# Altium PCB Altium.pcbdoc (part 1 of 2)
Units mil, origin at the board's own origin, x right, y up, seen from the top; angles counter-clockwise.
Board outline 3937.01 x 2047.24 mil, 2 copper layers (Top Layer, Bottom Layer), stack 62.206 mil thick; 34 components, 26 nets, 163 pads, 100 vias.
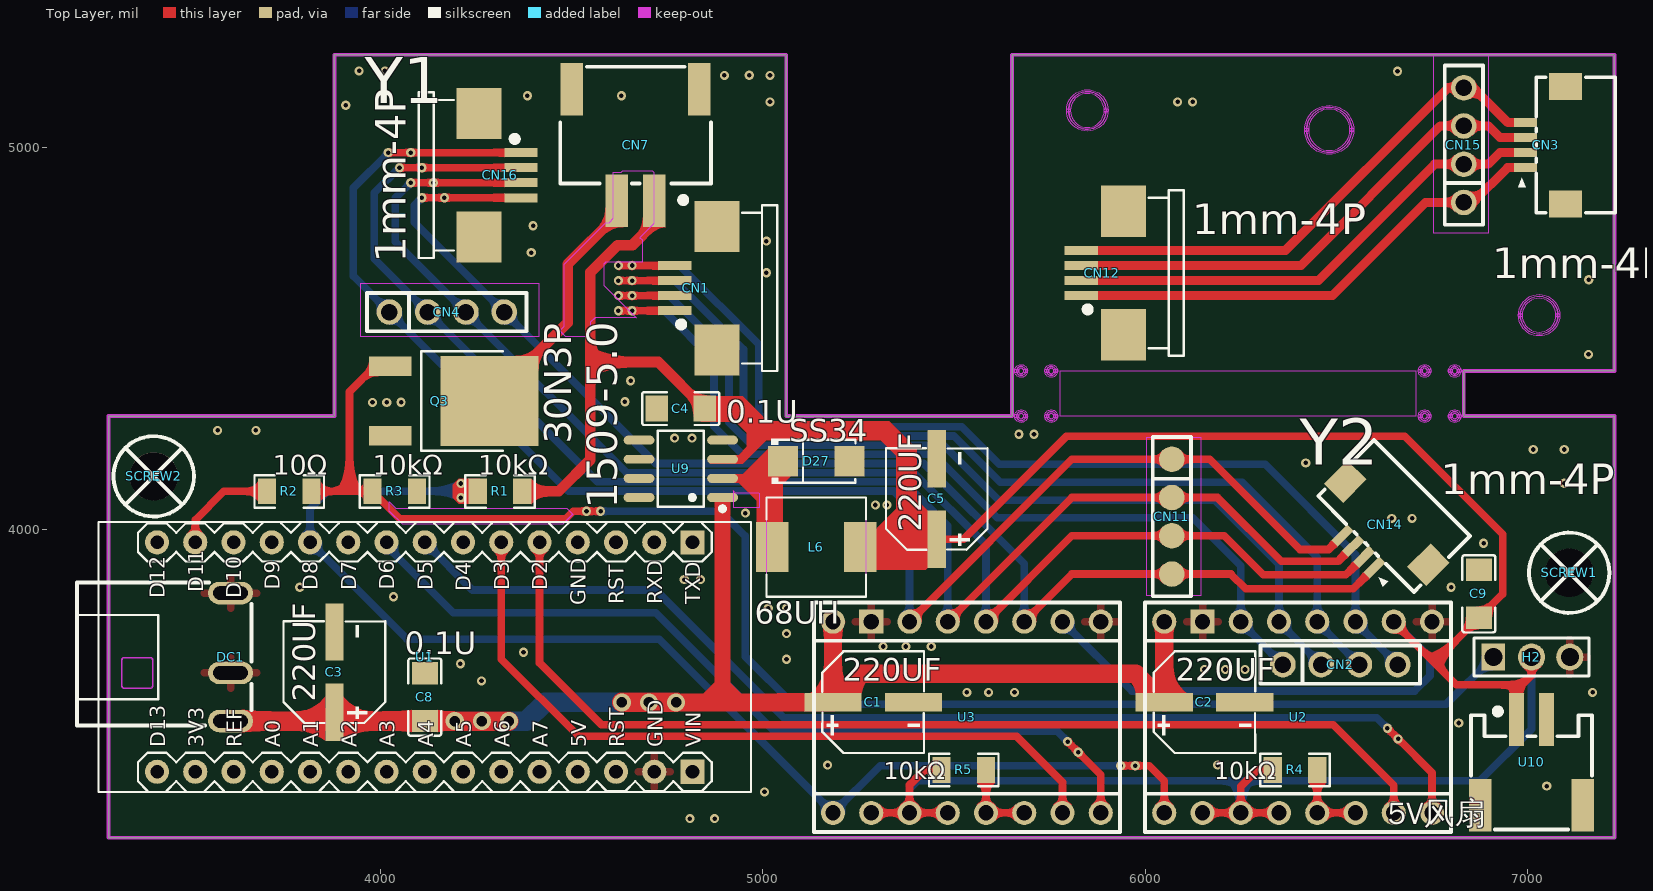
[diagram p0: Top Layer view]
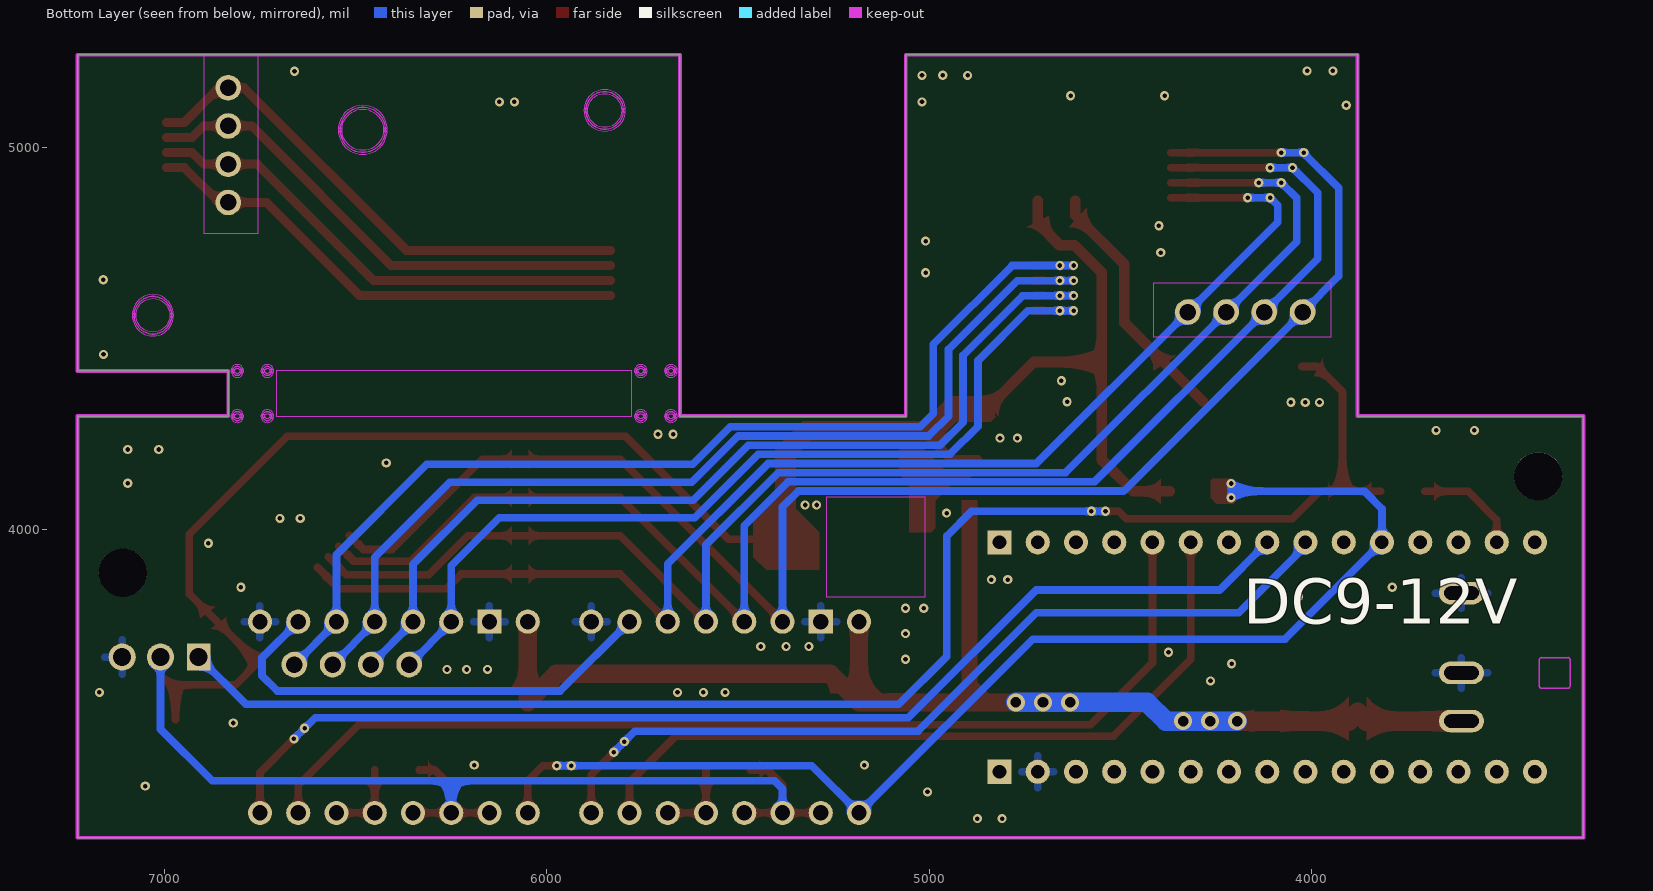
[diagram p1: Bottom Layer view, seen from below]

## Layer stack, top to bottom
Top Solder Mask Layer: solder mask 0.394, Dk 3.3
Top Layer: signal copper 1.379
Dielectric1: surface 59.449, FR4, Dk 4.5
Bottom Layer: signal copper 1.378
Bottom Solder Mask Layer: solder mask 0.394, Dk 3.3

## Board outline
7227.01,3195 3290,3195 3290,3293.43 3290,4297.36 3880.55,4297.36 3880.55,5242.24 5061.65,5242.24 5061.65,4297.36 5652.2,4297.36 5652.2,5242.24 7227.01,5242.24 7227.01,4415.47 6833.31,4415.47 6833.31,4297.36 7227.01,4297.36 7227.01,3293.43

## Design rules (kind name [scope] priority, off if disabled: settings)
BoardOutlineClearance copperThickness1oz [All] p0: genericclearance=10 ignorepadtopadclearanceinfootprint=FALSE except(0: Arc-SplitContinuation Track-SplitContinuation SMDPad-SplitContinuation THPad-SplitContinuation Via-SplitContinuation Fill-SplitContinuation Poly-SplitContinuation Region-SplitContinuation Text-SplitContinuation)
BoardOutlineClearance copperThickness2oz [All] p0: genericclearance=10 ignorepadtopadclearanceinfootprint=FALSE except(0: Arc-SplitContinuation Track-SplitContinuation SMDPad-SplitContinuation THPad-SplitContinuation Via-SplitContinuation Fill-SplitContinuation Poly-SplitContinuation Region-SplitContinuation Text-SplitContinuation)
BoardOutlineClearance Plane_innerPlane [All] p0: genericclearance=10 ignorepadtopadclearanceinfootprint=FALSE except(0: Arc-SplitContinuation Track-SplitContinuation SMDPad-SplitContinuation THPad-SplitContinuation Via-SplitContinuation Fill-SplitContinuation Poly-SplitContinuation Region-SplitContinuation Text-SplitContinuation)
BoardOutlineClearance Copper_copperRegion [All] p0: genericclearance=10 ignorepadtopadclearanceinfootprint=FALSE except(0: Arc-SplitContinuation Track-SplitContinuation SMDPad-SplitContinuation THPad-SplitContinuation Via-SplitContinuation Fill-SplitContinuation Poly-SplitContinuation Region-SplitContinuation Text-SplitContinuation)
BoardOutlineClearance Copper_copperRegion1 [All] p0: genericclearance=10 ignorepadtopadclearanceinfootprint=FALSE except(0: Arc-SplitContinuation Track-SplitContinuation SMDPad-SplitContinuation THPad-SplitContinuation Via-SplitContinuation Fill-SplitContinuation Poly-SplitContinuation Region-SplitContinuation Text-SplitContinuation)
BoardOutlineClearance otherClearance [All] p0: genericclearance=10 ignorepadtopadclearanceinfootprint=FALSE except(0: Arc-SplitContinuation Track-SplitContinuation SMDPad-SplitContinuation THPad-SplitContinuation Via-SplitContinuation Fill-SplitContinuation Poly-SplitContinuation Region-SplitContinuation Text-SplitContinuation)
BoardOutlineClearance otherClearance [All] p0: genericclearance=10 ignorepadtopadclearanceinfootprint=FALSE except(0: Arc-SplitContinuation Track-SplitContinuation SMDPad-SplitContinuation THPad-SplitContinuation Via-SplitContinuation Fill-SplitContinuation Poly-SplitContinuation Region-SplitContinuation Text-SplitContinuation)
Clearance copperThickness1oz [All] p1: gap=7 ignorepadtopadclearanceinfootprint=FALSE
Clearance copperThickness2oz [All] p1: gap=7 ignorepadtopadclearanceinfootprint=FALSE
Clearance Plane_innerPlane [All] p1: gap=7 ignorepadtopadclearanceinfootprint=FALSE
Clearance Copper_copperRegion [All] p1: gap=7 ignorepadtopadclearanceinfootprint=FALSE
Clearance Copper_copperRegion1 [All] p1: gap=7 ignorepadtopadclearanceinfootprint=FALSE
Clearance otherClearance [All] p1: gap=7 ignorepadtopadclearanceinfootprint=FALSE
Clearance otherClearance [All] p1: gap=7 ignorepadtopadclearanceinfootprint=FALSE
DiffPairsRouting differentialPair [All] p1: maxuncoupledlength=10 minlimit=5 maxlimit=Infinity mostfreqgap=6 toplayer_minwidth=5 toplayer_prefwidth=100 toplayer_maxwidth=100 bottomlayer_minwidth=5 bottomlayer_prefwidth=100 bottomlayer_maxwidth=100
PasteMaskExpansion pasteMaskExpansion [All] p1: expansion=0
PlaneConnect innerPlane [All] p1: planeconnectstyle=Relief reliefexpansion=20 reliefentries=4 reliefconductorwidth=10 reliefairgap=10
PolygonConnect copperRegion [All] p1: connectstyle=Relief reliefentries=4 reliefconductorwidth=10 polygonreliefangle="90 Angle" airgapwidth=10
PolygonConnect copperRegion1 [All] p1: connectstyle=Relief reliefentries=4 reliefconductorwidth=19.685 polygonreliefangle="90 Angle" airgapwidth=10
RoutingVias viaSize [All] p1: viastyle="Through Hole" holewidth=12.0078 minholewidth=11.811 maxholewidth=248.0314 width=12.0078 minwidth=11.811 maxwidth=248.0314
SolderMaskExpansion solderMaskExpansion [All] p1: useseparateexpansions=TRUE expansion=2.0079 expansionbottom=2.0079
Width copperThickness1oz [All] p1: maxlimit=Infinity minlimit=0 preferedwidth=0
Width copperThickness2oz [All] p1: maxlimit=Infinity minlimit=0 preferedwidth=0

## Components (designator, comment, footprint, x,y, rotation, side; value= is the part's Value field where it differs from the comment)
C1 "" CAP-SMD_BD6.3-L6.6-W6.6-FD-1 5289.21,3549.33 r0 top
C2 "" CAP-SMD_BD6.3-L6.6-W6.6-FD-1 6155.36,3549.33 r0 top
C3 "220uF" CAP-SMD_BD6.3-L6.6-W6.6-FD-1 3880.55,3628.07 r90 top
C4 "100nF" C1206 4786.06,4317.05 r0 top
C5 "CAP-SMD_BD6.3-L6.6-W6.6-FD-1" CAP-SMD_BD6.3-L6.6-W6.6-FD-1 5455.35,4080.83 r90 top
C8 "" C1206 4116.77,3562.82 r270 top
C9 "" C1206 6872.68,3832.8 r270 top
CN1 "" FPC-SMD_4P-P1.00_AFA07-S04ECC-00 4825.43,4632.01 r90 top
CN2 "" HDR-TH_4P-P2.54-V-F#1 6510.47,3647.76 r0 top
CN3 "" FPC-SMD_4P-P1.00_10A20L04P 7049.84,5006.02 r90 top
CN4 "" HDR-TH_4P-P2.54-V-F#1 4174.37,4569.45 r0 top
CN7 "" CONN-SMD_2P-P2.54_MEGASTAR_ZX-XH2.54-2PWT 4667.95,5006.02 r180 top
CN11 "" HDR-TH_4P-P2.54-V-F#2 6070,4034.45 r270 top
CN12 "" FPC-SMD_4P-P1.00_AFA07-S04ECC-00 5888.43,4671.38 r90 top
CN14 "" FPC-SMD_4P-P1.00_10A20L04P 6597.09,3982.4 r135 top
CN15 "" HDR-TH_4P-P2.54-V-F#1 6833.31,5006.02 r90 top
CN16 "" FPC-SMD_4P-P1.00_AFA07-S04ECC-00 4313.62,4927.28 r270 top
D27 "" SMA_L4.3-W2.6-LS5.2-RD 5140.39,4179.25 r0 top
DC1 "" DC-IN-TH_DC044 3608.9,3667.44 r0 top
H2 "" HDR-TH_3P-P2.54-V-M-1 7010.47,3667.44 r0 top
L6 "" IND-SMD_L7.1-W6.6_H5.0 5140.39,3954.84 r180 top
Q3 "" TO-252-2_L6.6-W6.1-P4.60-LS10.0-BR-CW 4156.14,4336.73 r180 top
R1 "10kΩ" R1206 4313.62,4100.51 r0 top
R2 "10Ω" R1206 3762.44,4100.51 r180 top
R3 "10kΩ" R1206 4038.03,4100.51 r180 top
R4 "10kΩ" R1206 6392.02,3372.17 r180 top
R5 "10kΩ" R1206 5525.87,3372.17 r180 top
SCREW1 "" M3螺丝 7108.9,3887.91 r0 top
SCREW2 "" M3螺丝 3408.11,4139.88 r0 top
U1 "" COMM-TH_ARDUINO_NANO 4116.77,3667.44 r0 top
U2 "" DIP-16_L20.3-W15.2-P2.54_LS12.7_A4988 6400.24,3509.96 r90 top
U3 "" DIP-16_L20.3-W15.2-P2.54_LS12.7_A4988 5534.09,3509.96 r90 top
U9 "" SOIC-8_L4.9-W3.9-P1.27-LS6.0-BL 4786.06,4159.57 r90 top
U10 "" CONN-SMD_ZX-PH2.0-WT2P 7010.47,3391.85 r0 top

## Footprints (in the part's own frame and the unit in brackets; to place one, negate y for a bottom-side part, rotate by r counter-clockwise, add the part's x,y. Pads: shape width x height; smd on the part's side, far side on the other; paste and mask are expansions set on the pad)
C1206 [mm]
  rect 1.485x1.728 smd: 1(-1.593,0) 2(1.593,0)
  silkscreen extent -2.56,-1.09 2.56,1.09
CAP-SMD_BD6.3-L6.6-W6.6-FD-1 [mm]
  rect 3.8x1.2 smd: 1(-2.67,0) 2(2.67,0)
  silkscreen extent -3.38,-3.38 3.38,3.38
COMM-TH_ARDUINO_NANO [mm]
  rect 1.6x1.6 hole 0.9: 1(17.78,7.62) 30(17.78,-7.62)
  round 1.6 hole 0.9: 2(15.24,7.62) 4(10.16,7.62) 6(5.08,7.62) 8(0,7.62) 10(-5.08,7.62) 12(-10.16,7.62) 14(-15.24,7.62) 15(-17.78,7.62) 16(-17.78,-7.62) 18(-12.7,-7.62) 20(-7.62,-7.62) 22(-2.54,-7.62) 24(2.54,-7.62) 26(7.62,-7.62) 28(12.7,-7.62) 29(15.24,-7.62)
  round 1.6 hole 0.9 copper offset 0,0: 3(12.7,7.62)
  round 1.6 hole 0.9 copper offset -0.001,0: 5(7.621,7.62) 7(2.541,7.62) 9(-2.539,7.62) 11(-7.619,7.62) 13(-12.699,7.62)
  round 1.6 hole 0.9 copper offset 0.001,0: 17(-15.241,-7.62) 19(-10.161,-7.62) 21(-5.081,-7.62) 23(-0.001,-7.62) 25(5.079,-7.62) 27(10.159,-7.62)
  silkscreen extent -23.11,-8.97 21.67,8.97
CONN-SMD_2P-P2.54_MEGASTAR_ZX-XH2.54-2PWT [mm]
  rect 1.5x3.5 smd: 1(-1.25,3.7) 2(1.25,3.7) 3(-4.23,-3.7) 4(4.23,-3.7)
  silkscreen extent -5,-5.21 5,3.85
CONN-SMD_ZX-PH2.0-WT2P [mm]
  rect 1x3.5 smd: 1(-1,2.85) 2(1,2.85)
  rect 1.5x3.5 smd: 3(-3.4,-2.85) 4(3.4,-2.85)
  silkscreen extent -4.02,-4.44 4.02,3.59
DC-IN-TH_DC044 [mm]
  oval 3x1.5 hole 0.9 slot 2.3 at 0 deg: 2(0,4.25) 3(0,-1.05) 4(0,-4.25)
  Board Outline Layer lines w0.003: -7.209,-1.939 -7.209,-0.161 ; -7.082,-2.066 -5.304,-2.066 ; -7.082,-0.034 -5.304,-0.034 ; -5.177,-1.939 -5.177,-0.161
  Board Outline Layer lines w0.013: -7.209,-1.939 ccw(c-7.082,-1.939) -7.082,-2.066 ; -7.209,-0.161 cw(c-7.082,-0.161) -7.082,-0.034 ; -5.304,-2.066 ccw(c-5.304,-1.939) -5.177,-1.939 ; -5.304,-0.034 cw(c-5.304,-0.161) -5.177,-0.161
  Board Outline Layer region: -7.209,-1.939 -7.209,-0.161 -7.199,-0.112 -7.172,-0.071 -7.131,-0.044 -7.082,-0.034 -7.082,-0.034 -5.304,-0.034 -5.255,-0.044 -5.214,-0.071 -5.187,-0.112 -5.177,-0.161 -5.177,-0.161 -5.177,-1.939 -5.187,-1.988 -5.214,-2.029 -5.255,-2.056 -5.304,-2.066 -5.304,-2.066 -7.082,-2.066 -7.131,-2.056 -7.172,-2.029 -7.199,-1.988 -7.209,-1.939
  Board Outline Layer region: -7.209,-1.939 -7.209,-0.161 -7.199,-0.112 -7.172,-0.071 -7.131,-0.044 -7.082,-0.034 -7.082,-0.034 -5.304,-0.034 -5.255,-0.044 -5.214,-0.071 -5.187,-0.112 -5.177,-0.161 -5.177,-0.161 -5.177,-1.939 -5.187,-1.988 -5.214,-2.029 -5.255,-2.056 -5.304,-2.066 -5.304,-2.066 -7.082,-2.066 -7.131,-2.056 -7.172,-2.029 -7.199,-1.988 -7.209,-1.939
  Board Outline Layer region: -7.209,-1.94 -7.209,-1.94 -7.21,-1.94 -7.21,-1.94 -7.21,-1.939 -7.21,-1.939 -7.21,-0.161 -7.21,-0.161 -7.21,-0.16 -7.209,-0.16 -7.209,-0.16 -7.209,-0.16 -7.208,-0.16 -7.208,-0.16 -7.208,-0.161 -7.208,-0.161 -7.208,-0.161 -7.208,-1.939 -7.208,-1.94 -7.208,-1.94 -7.208,-1.94 -7.209,-1.94
  Board Outline Layer region: -5.303,-0.034 -5.303,-0.035 -5.303,-0.035 -5.303,-0.035 -5.304,-0.035 -5.304,-0.035 -7.082,-0.035 -7.082,-0.035 -7.083,-0.035 -7.083,-0.035 -7.083,-0.034 -7.083,-0.034 -7.083,-0.034 -7.083,-0.033 -7.082,-0.033 -7.082,-0.033 -7.082,-0.033 -5.304,-0.033 -5.303,-0.033 -5.303,-0.033 -5.303,-0.034 -5.303,-0.034
  Board Outline Layer region: -5.176,-1.939 -5.176,-1.94 -5.176,-1.94 -5.176,-1.94 -5.177,-1.94 -5.177,-1.94 -5.177,-1.94 -5.178,-1.94 -5.178,-1.94 -5.178,-1.939 -5.178,-1.939 -5.178,-0.161 -5.178,-0.161 -5.178,-0.16 -5.177,-0.16 -5.177,-0.16 -5.177,-0.16 -5.176,-0.16 -5.176,-0.16 -5.176,-0.161 -5.176,-0.161 -5.176,-0.161
  Board Outline Layer region: -5.303,-2.066 -5.303,-2.067 -5.303,-2.067 -5.303,-2.067 -5.304,-2.067 -5.304,-2.067 -7.082,-2.067 -7.082,-2.067 -7.083,-2.067 -7.083,-2.067 -7.083,-2.066 -7.083,-2.066 -7.083,-2.066 -7.083,-2.065 -7.082,-2.065 -7.082,-2.065 -7.082,-2.065 -5.304,-2.065 -5.303,-2.065 -5.303,-2.065 -5.303,-2.066 -5.303,-2.066
  Board Outline Layer region: -7.203,-0.161 -7.203,-0.163 -7.204,-0.166 -7.207,-0.167 -7.209,-0.167 -7.209,-0.167 -7.211,-0.167 -7.213,-0.166 -7.215,-0.163 -7.215,-0.161 -7.215,-0.161 -7.205,-0.11 -7.176,-0.067 -7.133,-0.038 -7.082,-0.028 -7.082,-0.028 -7.08,-0.028 -7.077,-0.03 -7.076,-0.032 -7.076,-0.034 -7.076,-0.034 -7.076,-0.036 -7.077,-0.039 -7.08,-0.04 -7.082,-0.04 -7.082,-0.04 -7.128,-0.05 -7.167,-0.076 -7.193,-0.115 -7.203,-0.161
  Board Outline Layer region: -5.171,-0.161 -5.171,-0.163 -5.172,-0.166 -5.175,-0.167 -5.177,-0.167 -5.177,-0.167 -5.179,-0.167 -5.181,-0.166 -5.183,-0.163 -5.183,-0.161 -5.183,-0.161 -5.193,-0.115 -5.219,-0.076 -5.258,-0.05 -5.304,-0.04 -5.304,-0.04 -5.306,-0.04 -5.308,-0.039 -5.31,-0.036 -5.31,-0.034 -5.31,-0.034 -5.31,-0.032 -5.308,-0.03 -5.306,-0.028 -5.304,-0.028 -5.304,-0.028 -5.253,-0.038 -5.21,-0.067 -5.181,-0.11 -5.171,-0.161
  Board Outline Layer region: -5.171,-1.939 -5.181,-1.99 -5.21,-2.033 -5.253,-2.062 -5.304,-2.072 -5.304,-2.072 -5.306,-2.072 -5.308,-2.071 -5.31,-2.068 -5.31,-2.066 -5.31,-2.066 -5.31,-2.064 -5.308,-2.062 -5.306,-2.06 -5.304,-2.06 -5.304,-2.06 -5.258,-2.051 -5.219,-2.024 -5.193,-1.985 -5.183,-1.939 -5.183,-1.939 -5.183,-1.937 -5.181,-1.935 -5.179,-1.933 -5.177,-1.933 -5.177,-1.933 -5.175,-1.933 -5.172,-1.935 -5.171,-1.937 -5.171,-1.939
  Board Outline Layer region: -7.082,-2.072 -7.133,-2.062 -7.176,-2.033 -7.205,-1.99 -7.215,-1.939 -7.215,-1.939 -7.215,-1.937 -7.213,-1.935 -7.211,-1.933 -7.209,-1.933 -7.209,-1.933 -7.207,-1.933 -7.204,-1.935 -7.203,-1.937 -7.203,-1.939 -7.203,-1.939 -7.193,-1.985 -7.167,-2.024 -7.128,-2.051 -7.082,-2.06 -7.082,-2.06 -7.08,-2.06 -7.077,-2.062 -7.076,-2.064 -7.076,-2.066 -7.076,-2.066 -7.076,-2.068 -7.077,-2.071 -7.08,-2.072 -7.082,-2.072
  silkscreen extent -10.2,-4.55 1.4,4.95
DIP-16_L20.3-W15.2-P2.54_LS12.7_A4988 [mm]
  round 1.6 hole 1.02: 1(-6.35,8.89) 2(-6.35,6.35) 3(-6.35,3.81) 4(-6.35,1.27) 5(-6.35,-1.27) 6(-6.35,-3.81) 7(-6.35,-6.35) 8(-6.35,-8.89) 9(6.35,-8.89) 10(6.35,-6.35) 11(6.35,-3.81) 12(6.35,-1.27) 13(6.35,1.27) 14(6.35,3.81) 16(6.35,8.89)
  rect 1.6x1.6 hole 1.02: 15(6.35,6.35)
  silkscreen extent -7.62,-10.16 7.62,10.16
FPC-SMD_4P-P1.00_10A20L04P [mm]
  rect 0.6x1.5 smd: 1(-1.5,1.4) 2(-0.5,1.4) 3(0.5,1.4) 4(1.5,1.4)
  rect 1.8x2.2 smd: 5(3.9,-1.263) 6(-3.9,-1.263)
  silkscreen extent -4.5,-4.56 4.5,1.9
FPC-SMD_4P-P1.00_AFA07-S04ECC-00 [mm]
  rect 0.6x2.2 smd: 1(-1.5,1.4) 2(-0.5,1.4) 3(0.5,1.4) 4(1.5,1.4)
  rect 3.4x3 smd: 5(4.1,-1.4) 6(-4.1,-1.4)
  silkscreen extent -5.5,-5.4 5.5,1.17
HDR-TH_3P-P2.54-V-M-1 [mm]
  rect 1.575x1.8 hole 1.2: 1(-2.54,0)
  round 1.8 hole 1.2: 2(0,0) 3(2.54,0)
  silkscreen extent -3.81,-1.27 3.81,1.27
HDR-TH_4P-P2.54-V-F#1 [mm]
  round 1.7 hole 1.1: 1(-3.81,0) 2(-1.27,0) 3(1.27,0) 4(3.81,0)
  silkscreen extent -5.29,-1.27 5.29,1.27
HDR-TH_4P-P2.54-V-F#2 [mm]
  round 1.7 smd: 1(-3.81,0) 2(-1.27,0) 3(1.27,0) 4(3.81,0)
  silkscreen extent -5.29,-1.27 5.29,1.27
IND-SMD_L7.1-W6.6_H5.0 [mm]
  rect 2.15x3.32 smd: 1(-2.913,0) 2(2.913,0)
  silkscreen extent -3.3,-3.3 3.3,3.3
M3螺丝 [mil]
  round 126 hole 126: 1(0,0)
  silkscreen extent -105,-105 105,105
R1206 [mil]
  rect 47.54x66.97 smd: 1(-58.22,0) 2(58.22,0)
  silkscreen extent -91,-42 91,42
SMA_L4.3-W2.6-LS5.2-RD [mm]
  rect 2x2 smd: 1(-2.2,0) 2(2.2,0)
  silkscreen extent -2.98,-1.5 2.6,1.5
SOIC-8_L4.9-W3.9-P1.27-LS6.0-BL [mm]
  oval 0.588x2.045 smd: 1(-1.905,-2.772) 2(-0.635,-2.772) 3(0.635,-2.772) 4(1.905,-2.772) 5(1.905,2.772) 6(0.635,2.772) 7(-0.635,2.772) 8(-1.905,2.772)
  silkscreen extent -2.8,-2.92 2.53,1.52
TO-252-2_L6.6-W6.1-P4.60-LS10.0-BR-CW [mm]
  rect 2.8x1.3 smd: 1(3.292,-2.3) 3(3.292,2.3)
  rect 6.5x6 smd: 2(-3.292,0)
  silkscreen extent -4.17,-3.3 1.23,3.3

## Via types
v1: diameter 24.02, hole 12.01, Top Layer to Bottom Layer, 94 vias
v2: diameter 47.24, hole 27.56, Top Layer to Bottom Layer, 6 vias

## Nets (pads, with @x,y where several pads share a name; then routed paths per layer and width w, separated by ;. In a path a pad name is that pad's centre, name@x,y a point inside that pad or via, vN(x,y) a via of type N, cw(c..) or ccw(c..) an arc to the next point about the centre after c; other vN are vias at no path point)
5V: C4.2 C5.1 C9.2 CN7.1 H2.2 L6.1 R1.2 R4.2 R5.2 U2.2 U2.3 U2.4 U2.10 U3.2 U3.3 U3.4 U3.10 U9.3 U10.1 | length 8164.9
  Top Layer w20: U3.2@5284.09,3259.96 U3.3@5384.09,3259.96 ; C5.1@5455.35,3975.71 5525.26,3975.71 5794.56,4245 6678.82,4245 6935,3988.82 6935,3832.42 C9.2@6872.68,3770.1 6768.05,3665.47 ; R5.2@5467.65,3372.17 5423.35,3372.17 5384.09,3332.91 U3.3@5384.09,3259.96 ; U3.4@5484.09,3259.96 U3.3@5384.09,3259.96 ; U2.2@6150.24,3259.96 U2.3@6250.24,3259.96 ; R4.2@6333.8,3372.17 6293.35,3372.17 6250.24,3329.06 U2.3@6250.24,3259.96 ; U2.4@6350.24,3259.96 U2.3@6250.24,3259.96 ; U2.10@6650.24,3759.96 6650.24,3758.58 6743.35,3665.47 ; U10.1@6971.1,3504.06 6971.1,3579.92 ; H2.2@7010.47,3667.44 7010.47,3619.29 6986.35,3595.17 ; 6743.35,3665.47 6768.05,3665.47 ; 6743.35,3665.47 6768.05,3640.77 ; 6768.05,3640.77 6768.05,3665.47 ; 6768.05,3640.77 6813.65,3595.17 6955.84,3595.17 ; 6955.84,3595.17 6971.1,3579.92 ; 6955.84,3595.17 6986.35,3595.17 ; 6971.1,3579.92 6986.35,3595.17
  Top Layer w27.56: R1.2@4371.84,4100.51 4466.69,4100.51 4550,4183.82 4550,4414.05 ; 4574.77,4438.82 4550,4414.05 ; CN7.1@4717.17,4860.35 4717.17,4802.01 4659.82,4744.66 4620.84,4744.66 4550,4673.82 4550,4463.82 ; C4.2@4848.76,4317.05 4726.99,4438.82 4575,4438.82 4550,4463.82 ; 4550,4414.05 4550,4463.82
  Bottom Layer w20: U3.3@5384.09,3259.96 5384.09,3322.91 5405,3343.82 6227.74,3343.82 ; U3.10@5784.09,3759.96 5965.24,3578.82 6705,3578.82 6745,3618.82 6745,3665.2 U2.10@6650.24,3759.96 ; U2.3@6250.24,3259.96 6250.24,3321.32 ; H2.2@7010.47,3667.44 7010.47,3479.29 6875,3343.82 6272.74,3343.82 ; 6227.74,3343.82 6250.24,3321.32 ; 6227.74,3343.82 6272.74,3343.82 ; 6250.24,3321.32 6272.74,3343.82
12V: C1.1 C2.1 C3.1 C8.2 DC1.4 U2.16 U3.16 U9.1 | length 3246.9
  Top Layer w47.24: v2(4773.79,3548.82) 5183.58,3548.82 C1.1@5184.09,3549.33 ; U3.16@5184.1,3759.96 C1.1@5184.09,3549.33 ; U2.16@6050.24,3759.96 C2.1@6050.24,3549.33 5975.75,3623.82 5258.58,3623.82 C1.1@5184.09,3549.33
  Top Layer w51.18: DC1.4@3608.9,3500.12 3857.72,3500.12 C3.1@3880.55,3522.95 3903.38,3500.12 C8.2@4116.77,3500.12 v2(4195.08,3500.12) v2(4265.9,3500.12) v2(4336.72,3500.12) ; v2(4632.15,3548.82) v2(4702.97,3548.82) v2(4773.79,3548.82)
  Bottom Layer w51.18: v2(4195.08,3500.12) v2(4265.9,3500.12) v2(4336.72,3500.12) 4381.82,3500.12 4430.51,3548.82 v2(4632.15,3548.82) v2(4702.97,3548.82) v2(4773.79,3548.82)
$1N38281: R5.1 U3.5 U3.6 | length 212.2
  Top Layer w20: R5.1@5584.09,3372.17 U3.5@5584.09,3259.96 U3.6@5684.09,3259.96
$1N38618: CN4.4 CN11.4 CN14.1 CN16.4 U3.11 | length 3512.4
  Top Layer w20: v1(4109.35,4868.23) v1(4168.06,4868.23) CN16.4@4368.74,4868.23 ; U3.11@5684.09,3759.96 5808.58,3884.45 CN11.4@6070,3884.45 6224.51,3884.45 6263.04,3845.91 6544.12,3845.91 CN14.1@6599.87,3901.67
  Bottom Layer w20: v1(4168.06,4868.23) v1(4109.35,4868.23) 4089.35,4848.23 4089.35,4804.46 CN4.4@4324.37,4569.45 4720.31,4173.5 5421.5,4173.5 5684.09,3910.91 U3.11@5684.09,3759.96
$1N38619: CN4.3 CN11.3 CN14.2 CN16.3 U3.12 | length 3734.1
  Top Layer w20: v1(4080,4907.6) v1(4138.71,4907.6) CN16.3@4368.74,4907.6 ; U3.12@5584.1,3759.96 5808.58,3984.45 CN11.3@6070,3984.45 6206.6,3984.45 6308.76,3882.28 6524.81,3882.28 CN14.2@6572.03,3929.51
  Bottom Layer w20: v1(4138.71,4907.6) v1(4080,4907.6) 4040,4867.6 4040,4753.82 CN4.3@4224.37,4569.45 4644.33,4149.49 5395.51,4149.49 5584.09,3960.91 U3.12@5584.1,3759.96
$1N38620: CN4.2 CN11.2 CN14.3 CN16.2 U3.13 | length 3961.3
  Top Layer w20: v1(4050.65,4946.97) v1(4109.35,4946.97) CN16.2@4368.74,4946.97 ; U3.13@5484.1,3759.96 5808.58,4084.45 CN11.2@6070,4084.45 6189.37,4084.45 6356.2,3917.62 6504.46,3917.62 CN14.3@6544.19,3957.35
  Bottom Layer w20: v1(4109.35,4946.97) v1(4050.65,4946.97) 3985,4881.32 3985,4708.82 CN4.2@4124.37,4569.45 4568.35,4125.47 5369.53,4125.47 5484.09,4010.91 U3.13@5484.1,3759.96
$1N38622: CN4.1 CN11.1 CN14.4 CN16.1 U3.14 | length 4190.7
  Top Layer w20: v1(4021.29,4986.33) v1(4080,4986.33) CN16.1@4368.74,4986.33 ; U3.14@5384.1,3759.96 5808.58,4184.45 CN11.1@6070,4184.45 6169.37,4184.45 6405,3948.82 6479.99,3948.82 CN14.4@6516.35,3985.19
  Bottom Layer w20: v1(4080,4986.33) 4022.51,4986.33 3930,4893.82 3930,4663.82 CN4.1@4024.37,4569.45 4492.36,4101.46 5342.6,4101.46 5384.09,4059.96 U3.14@5384.1,3759.96
$1N39292: R4.1 U2.5 U2.6 | length 212.2
  Top Layer w20: R4.1@6450.24,3372.17 U2.5@6450.24,3259.96 U2.6@6550.24,3259.96
$1N39467: CN1.4 CN2.4 U2.11 | length 2792.9
  Top Layer w20: v1(4623.04,4691.06) v1(4658.9,4691.06) CN1.4@4730.94,4691.06 ; CN2.4@6662.44,3647.76 CN2.4@6668.35,3647.76
  Bottom Layer w20: v1(4623.04,4691.06) v1(4658.9,4691.06) 4783.92,4691.06 4990.09,4484.89 4990.09,4303.72 5024.25,4269.57 5520.43,4269.57 5618.9,4171.1 6313.7,4171.1 6550.24,3934.56 U2.11@6550.24,3759.96 6550.24,3757.99 CN2.4@6660.47,3647.76
$1N39468: CN1.3 CN2.3 U2.12 | length 2664.2
  Top Layer w20: v1@4622.14,4651.69 v1(4658.9,4651.69) CN1.3@4730.94,4651.69
  Bottom Layer w20: v1(4623.04,4651.69) v1(4658.9,4651.69) 4770.19,4651.69 4950,4471.88 4950,4296.82 5001.27,4245.55 5499.45,4245.55 5620.92,4124.08 6254.15,4124.08 6450.24,3927.98 U2.12@6450.24,3759.96 6450.24,3757.99 CN2.3@6560.47,3647.76
$1N39469: CN1.1 CN2.1 U2.14 | length 2415.7
  Top Layer w20: v1(4623.04,4572.96) v1(4658.9,4572.96) CN1.1@4730.94,4572.96
  Bottom Layer w20: v1(4623.04,4572.96) v1(4658.9,4572.96) 4742.65,4572.96 4872.76,4442.86 4872.76,4271.06 4946.3,4197.52 5447.48,4197.52 5613.7,4031.3 6124.63,4031.3 6250.24,3905.69 U2.14@6250.24,3759.96 6250.24,3757.99 CN2.1@6360.47,3647.76
$1N39470: CN1.2 CN2.2 U2.13 | length 2535.3
  Top Layer w20: v1@4623.94,4612.32 v1(4658.9,4612.32) CN1.2@4730.94,4612.32
  Bottom Layer w20: v1(4623.04,4612.32) v1(4658.9,4612.32) 4756.5,4612.32 4912.05,4456.76 4912.05,4281.76 4972.28,4221.54 5473.46,4221.54 5617.49,4077.51 6182.29,4077.51 6350.24,3909.56 U2.13@6350.24,3759.96 6350.24,3757.99 CN2.2@6460.47,3647.76
$1N40367: CN7.2 Q3.2 | length 661.6
  Top Layer w27.56: Q3.2@4285.75,4336.73 4490,4540.98 4490,4694.31 4618.74,4823.05 CN7.2@4618.74,4860.36
$1N40669: H2.1 Q3.1 R2.1 R3.2 | length 4045.4
  Top Layer w20: R2.1@3820.66,4100.51 3897.44,4100.51 ; Q3.1@4026.53,4427.28 3985.99,4427.28 3920,4361.29 3920,4123.07 ; v1(4576.5,4048.82) v1(4539.71,4048.82) 4505,4048.82 4485,4028.82 4051.5,4028.82 R3.2@3979.81,4100.51 3942.56,4100.51 ; 3897.44,4100.51 3920,4123.07 ; 3897.44,4100.51 3942.56,4100.51 ; 3920,4123.07 3942.56,4100.51
  Bottom Layer w20: v1(4539.71,4048.82) v1(4576.5,4048.82) 4890,4048.82 4955,3983.82 4955,3668.82 5080,3543.82 6786.85,3543.82 H2.1@6910.47,3667.44
$1N43520: D27.1 L6.2 U9.2
$1N45498: CN3.4 CN12.4 CN15.4 | length 1375.4
  Top Layer w23.62: CN12.4@5833.3,4730.43 6366.61,4730.43 6792.2,5156.02 CN15.4@6833.31,5156.02 6857.8,5156.02 6948.74,5065.08 CN3.4@6994.72,5065.08
$1N45502: CN3.3 CN12.3 CN15.3 | length 1325.1
  Top Layer w23.62: CN12.3@5833.3,4691.06 6407.24,4691.06 6772.2,5056.02 CN15.3@6833.31,5056.02 6897.8,5056.02 6928.11,5025.71 CN3.3@6994.72,5025.71
$1N45507: CN3.2 CN12.2 CN15.2 | length 1300
  Top Layer w23.62: CN12.2@5833.3,4651.69 6452.87,4651.69 6757.2,4956.02 CN15.2@6833.31,4956.02 6897.2,4956.02 6927.52,4986.34 CN3.2@6994.72,4986.34
$1N45512: CN3.1 CN12.1 CN15.1 | length 1300
  Top Layer w23.62: CN12.1@5833.3,4612.33 6489.62,4612.33 6733.31,4856.02 CN15.1@6833.31,4856.02 6857.2,4856.02 6948.15,4946.97 CN3.1@6994.72,4946.97
D2/X-STEP: U1.5 U2.7 | length 2753.3
  Top Layer w20: U1.5@4416.79,3967.42 4416.77,3652.05 4578.82,3490 6492.02,3490 6650.24,3331.78 U2.7@6650.24,3259.96
D3/Y-STEP: U1.6 U3.7 | length 1986
  Top Layer w20: U1.6@4316.77,3967.44 4316.77,3662.05 4518.82,3460 5663.82,3460 5784.09,3339.72 U3.7@5784.09,3259.96
D5/X-DIR: U1.8 U2.8 | length 3027.5
  Top Layer w20: v1(6633.47,3481.49) v1(6661.51,3453.45) 6750.24,3364.73 U2.8@6750.24,3259.96
  Bottom Layer w20: U1.8@4116.77,3967.44 4241.4,3842.82 4721,3842.82 5055,3508.82 6606.14,3508.82 v1(6633.47,3481.49) v1(6661.51,3453.45)
D6/Y-DIR: U1.9 U3.8 | length 2259
  Top Layer w20: v1(5797.33,3446.49) v1(5825.37,3418.45) 5884.09,3359.72 U3.8@5884.09,3259.96
  Bottom Layer w20: U1.9@4013.69,3961.25 4191.63,3783.31 4720.51,3783.31 5030,3473.82 5770,3473.82 v1(5797.33,3446.49) v1(5825.37,3418.45)
D8/EN: R1.1 U1.11 U2.1 U3.1 | length 3289.8
  Top Layer w20: v1(5936.52,3383.15) v1(5974.33,3383.15) 6010.67,3383.15 6050.24,3343.58 U2.1@6050.24,3259.96
  Bottom Layer w20: v1(5974.33,3383.15) v1(5936.52,3383.15) 5307.28,3383.15 U3.1@5184.09,3259.96 4730.24,3713.82 4070.39,3713.82 U1.11@3816.79,3967.42 3816.77,4055.59 3862.5,4101.32 4191.14,4101.32 ; 4191.14,4101.32 v1(4211.14,4121.32) v1(4211.14,4083.82) 4193.64,4101.32 4191.14,4101.32
D11/PWM: R2.2 U1.14 | length 276.6
  Top Layer w20: U1.14@3516.77,3967.44 3516.77,4025.59 3591.69,4100.51 R2.2@3704.22,4100.51
GND: C1.2 C2.2 C3.2 C4.1 C5.2 C8.1 C9.1 CN1.5 CN1.6 CN3.5 CN3.6 CN7.3 CN7.4 CN12.5 CN12.6 CN14.5 CN14.6 CN16.5 CN16.6 D27.2 DC1.2 DC1.3 H2.3 Q3.3 R3.1 U1.29 U2.9 U2.15 U3.9 U3.15 U9.4 U9.5 U9.6 U9.7 U9.8 U10.2 U10.3 U10.4
  other v1: 4810,3245 4874.41,3245 5005,3315 7050,3330 5170,3385 6190,3385 6820,3495 5534.09,3574.9 5590.98,3574.9 5658.52,3574.9 7170,3575 4265,3605 6155.36,3635.18 6210,3635 6261.37,3635 4210,3650 5062.52,3661.7 4375,3680 5315,3695 5374.69,3695 5441.14,3695 5062.52,3728.69 5015,3795 5062.52,3795 4035,3825 3790,3850 6800,3850 4795,3870 4837.86,3870 6885,3965 6645,4030 6698.27,4030 4955.18,4043.76 5295,4065 5325,4065 7095.9,4121.88 6420,4175 7015,4210 7095.9,4210 4770,4240 4815.48,4240 5670,4250 5709.73,4250 3575,4260 3675.22,4260 3980,4333.19 4017.5,4333.19 4055,4333.82 4640,4335 4655,4390 7159.37,4458.82 7160,4653.82 5010,4672.38 4395,4725 5010,4755 4400,4795 3910,5110 5019.37,5118.82 6085,5118.82 6124.37,5118.82 4385,5135 4630.96,5135 4900,5188.19 5019.37,5188.19 4965,5188.82 6660,5198.82 3945,5200 4012.52,5200
pads on no net: SCREW1.1 SCREW2.1 U1.1 U1.2 U1.3 U1.4 U1.7 U1.10 U1.12 U1.13 U1.15 U1.16 U1.17 U1.18 U1.19 U1.20 U1.21 U1.22 U1.23 U1.24 U1.25 U1.26 U1.27 U1.28 U1.30

## Polygon pours and split planes (outlines as drawn)
GND on Top Layer (solid, remove dead copper, pour order 0): 3100,5350 7380,5350 7380,3100 3100,3100
GND on Bottom Layer (solid, remove dead copper, pour order 6): 3000,5450 7430,5450 7430,3000 3000,3000

## Keep-outs
Top Layer:
  region: 4630,4935 4634.12,4939.12 4710.88,4939.12 4715,4935 4715,4799.84 4679.14,4763.98 4685,4758.12 4685,4700 4590,4700 4585,4695 4585,4640 4670,4555 4562.62,4555 4550,4542.38 4550,4515 4540,4505 4485.92,4505 4469.97,4520.95 4481.35,4532.33 4481.35,4694.31 4589.79,4802.74 4598.44,4802.74 4610,4814.31 4610,4935
  region: 4929.44,4096.35 4923.09,4102.7 4923.09,4059.74 4992.1,4059.74 4992.1,4093.81 4989.56,4096.35
  region: 4023.8,4049 4023.8,4073.37 4040.88,4056.3 4488.36,4056.3 4503.89,4040.77 4477.22,4014.1 4058.7,4014.1
  region: 6004.75,3827.14 6004.75,4242.72 6145,4242.72 6145,3827.14
Board Outline Layer:
  region: 6481.46,4981.85 cw(c6481.46,5045.91) 6417.4,5045.91 cw(c6422.4,5045.91) 6422.4,5050.91 cw(c6422.4,5045.91) 6427.4,5045.91 ccw(c6481.46,5045.91) 6481.46,4991.85 ccw(c6481.46,5045.91) 6535.51,5045.91 cw(c6540.51,5045.91) 6540.51,5050.91 cw(c6540.51,5045.91) 6545.51,5045.91 cw(c6481.46,5045.91)
  region: 6545.51,5045.91 cw(c6540.51,5045.91) 6540.51,5040.91 cw(c6540.51,5045.91) 6535.51,5045.91 ccw(c6481.46,5045.91) 6481.46,5099.96 ccw(c6481.46,5045.91) 6427.4,5045.91 cw(c6422.4,5045.91) 6422.4,5040.91 cw(c6422.4,5045.91) 6417.4,5045.91 cw(c6481.46,5045.91) 6481.46,5109.96 cw(c6481.46,5045.91)
  region: 6481.46,4981.85 cw(c6481.46,5045.91) 6417.4,5045.91 cw(c6422.4,5045.91) 6422.4,5050.91 cw(c6422.4,5045.91) 6427.4,5045.91 ccw(c6481.46,5045.91) 6481.46,4991.85 ccw(c6481.46,5045.91) 6535.51,5045.91 cw(c6540.51,5045.91) 6540.51,5050.91 cw(c6540.51,5045.91) 6545.51,5045.91 cw(c6481.46,5045.91)
  region: 6545.51,5045.91 cw(c6540.51,5045.91) 6540.51,5040.91 cw(c6540.51,5045.91) 6535.51,5045.91 ccw(c6481.46,5045.91) 6481.46,5099.96 ccw(c6481.46,5045.91) 6427.4,5045.91 cw(c6422.4,5045.91) 6422.4,5040.91 cw(c6422.4,5045.91) 6417.4,5045.91 cw(c6481.46,5045.91) 6481.46,5109.96 cw(c6481.46,5045.91)
  region: 7030.16,4506.93 cw(c7030.16,4561.14) 6975.94,4561.14 cw(c6980.94,4561.14) 6980.94,4566.14 cw(c6980.94,4561.14) 6985.94,4561.14 ccw(c7030.16,4561.14) 7030.16,4516.93 ccw(c7030.16,4561.14) 7074.37,4561.14 cw(c7079.37,4561.14) 7079.37,4566.14 cw(c7079.37,4561.14) 7084.37,4561.14 cw(c7030.16,4561.14)
  region: 7084.37,4561.14 cw(c7079.37,4561.14) 7079.37,4556.14 cw(c7079.37,4561.14) 7074.37,4561.14 ccw(c7030.16,4561.14) 7030.16,4605.35 ccw(c7030.16,4561.14) 6985.94,4561.14 cw(c6980.94,4561.14) 6980.94,4556.14 cw(c6980.94,4561.14) 6975.94,4561.14 cw(c7030.16,4561.14) 7030.16,4615.35 cw(c7030.16,4561.14)
  region: 7030.16,4506.93 cw(c7030.16,4561.14) 6975.94,4561.14 cw(c6980.94,4561.14) 6980.94,4566.14 cw(c6980.94,4561.14) 6985.94,4561.14 ccw(c7030.16,4561.14) 7030.16,4516.93 ccw(c7030.16,4561.14) 7074.37,4561.14 cw(c7079.37,4561.14) 7079.37,4566.14 cw(c7079.37,4561.14) 7084.37,4561.14 cw(c7030.16,4561.14)
  region: 7084.37,4561.14 cw(c7079.37,4561.14) 7079.37,4556.14 cw(c7079.37,4561.14) 7074.37,4561.14 ccw(c7030.16,4561.14) 7030.16,4605.35 ccw(c7030.16,4561.14) 6985.94,4561.14 cw(c6980.94,4561.14) 6980.94,4556.14 cw(c6980.94,4561.14) 6975.94,4561.14 cw(c7030.16,4561.14) 7030.16,4615.35 cw(c7030.16,4561.14)
  region: 5849.06,5042.36 cw(c5849.06,5096.57) 5794.84,5096.57 cw(c5799.84,5096.57) 5799.84,5101.57 cw(c5799.84,5096.57) 5804.84,5096.57 ccw(c5849.06,5096.57) 5849.06,5052.36 ccw(c5849.06,5096.57) 5893.27,5096.57 cw(c5898.27,5096.57) 5898.27,5101.57 cw(c5898.27,5096.57) 5903.27,5096.57 cw(c5849.06,5096.57)
  region: 5903.27,5096.57 cw(c5898.27,5096.57) 5898.27,5091.57 cw(c5898.27,5096.57) 5893.27,5096.57 ccw(c5849.06,5096.57) 5849.06,5140.79 ccw(c5849.06,5096.57) 5804.84,5096.57 cw(c5799.84,5096.57) 5799.84,5091.57 cw(c5799.84,5096.57) 5794.84,5096.57 cw(c5849.06,5096.57) 5849.06,5150.79 cw(c5849.06,5096.57)
  region: 5849.06,5042.36 cw(c5849.06,5096.57) 5794.84,5096.57 cw(c5799.84,5096.57) 5799.84,5101.57 cw(c5799.84,5096.57) 5804.84,5096.57 ccw(c5849.06,5096.57) 5849.06,5052.36 ccw(c5849.06,5096.57) 5893.27,5096.57 cw(c5898.27,5096.57) 5898.27,5101.57 cw(c5898.27,5096.57) 5903.27,5096.57 cw(c5849.06,5096.57)
  region: 5903.27,5096.57 cw(c5898.27,5096.57) 5898.27,5091.57 cw(c5898.27,5096.57) 5893.27,5096.57 ccw(c5849.06,5096.57) 5849.06,5140.79 ccw(c5849.06,5096.57) 5804.84,5096.57 cw(c5799.84,5096.57) 5799.84,5091.57 cw(c5799.84,5096.57) 5794.84,5096.57 cw(c5849.06,5096.57) 5849.06,5150.79 cw(c5849.06,5096.57)
  region: 5754.57,4398.66 cw(c5754.57,4415.47) 5737.76,4415.47 cw(c5742.76,4415.47) 5742.76,4420.47 cw(c5742.76,4415.47) 5747.76,4415.47 ccw(c5754.57,4415.47) 5754.57,4408.66 ccw(c5754.57,4415.47) 5761.38,4415.47 cw(c5766.38,4415.47) 5766.38,4420.47 cw(c5766.38,4415.47) 5771.38,4415.47 cw(c5754.57,4415.47)
  region: 5771.38,4415.47 cw(c5766.38,4415.47) 5766.38,4410.47 cw(c5766.38,4415.47) 5761.38,4415.47 ccw(c5754.57,4415.47) 5754.57,4422.28 ccw(c5754.57,4415.47) 5747.76,4415.47 cw(c5742.76,4415.47) 5742.76,4410.47 cw(c5742.76,4415.47) 5737.76,4415.47 cw(c5754.57,4415.47) 5754.57,4432.28 cw(c5754.57,4415.47)
  region: 5754.57,4398.66 cw(c5754.57,4415.47) 5737.76,4415.47 cw(c5742.76,4415.47) 5742.76,4420.47 cw(c5742.76,4415.47) 5747.76,4415.47 ccw(c5754.57,4415.47) 5754.57,4408.66 ccw(c5754.57,4415.47) 5761.38,4415.47 cw(c5766.38,4415.47) 5766.38,4420.47 cw(c5766.38,4415.47) 5771.38,4415.47 cw(c5754.57,4415.47)
  region: 5771.38,4415.47 cw(c5766.38,4415.47) 5766.38,4410.47 cw(c5766.38,4415.47) 5761.38,4415.47 ccw(c5754.57,4415.47) 5754.57,4422.28 ccw(c5754.57,4415.47) 5747.76,4415.47 cw(c5742.76,4415.47) 5742.76,4410.47 cw(c5742.76,4415.47) 5737.76,4415.47 cw(c5754.57,4415.47) 5754.57,4432.28 cw(c5754.57,4415.47)
  region: 5675.83,4280.55 cw(c5675.83,4297.36) 5659.02,4297.36 cw(c5664.02,4297.36) 5664.02,4302.36 cw(c5664.02,4297.36) 5669.02,4297.36 ccw(c5675.83,4297.36) 5675.83,4290.55 ccw(c5675.83,4297.36) 5682.64,4297.36 cw(c5687.64,4297.36) 5687.64,4302.36 cw(c5687.64,4297.36) 5692.64,4297.36 cw(c5675.83,4297.36)
  region: 5692.64,4297.36 cw(c5687.64,4297.36) 5687.64,4292.36 cw(c5687.64,4297.36) 5682.64,4297.36 ccw(c5675.83,4297.36) 5675.83,4304.17 ccw(c5675.83,4297.36) 5669.02,4297.36 cw(c5664.02,4297.36) 5664.02,4292.36 cw(c5664.02,4297.36) 5659.02,4297.36 cw(c5675.83,4297.36) 5675.83,4314.17 cw(c5675.83,4297.36)
  region: 5675.83,4280.55 cw(c5675.83,4297.36) 5659.02,4297.36 cw(c5664.02,4297.36) 5664.02,4302.36 cw(c5664.02,4297.36) 5669.02,4297.36 ccw(c5675.83,4297.36) 5675.83,4290.55 ccw(c5675.83,4297.36) 5682.64,4297.36 cw(c5687.64,4297.36) 5687.64,4302.36 cw(c5687.64,4297.36) 5692.64,4297.36 cw(c5675.83,4297.36)
  region: 5692.64,4297.36 cw(c5687.64,4297.36) 5687.64,4292.36 cw(c5687.64,4297.36) 5682.64,4297.36 ccw(c5675.83,4297.36) 5675.83,4304.17 ccw(c5675.83,4297.36) 5669.02,4297.36 cw(c5664.02,4297.36) 5664.02,4292.36 cw(c5664.02,4297.36) 5659.02,4297.36 cw(c5675.83,4297.36) 5675.83,4314.17 cw(c5675.83,4297.36)
  region: 5754.57,4280.55 cw(c5754.57,4297.36) 5737.76,4297.36 cw(c5742.76,4297.36) 5742.76,4302.36 cw(c5742.76,4297.36) 5747.76,4297.36 ccw(c5754.57,4297.36) 5754.57,4290.55 ccw(c5754.57,4297.36) 5761.38,4297.36 cw(c5766.38,4297.36) 5766.38,4302.36 cw(c5766.38,4297.36) 5771.38,4297.36 cw(c5754.57,4297.36)
  region: 5771.38,4297.36 cw(c5766.38,4297.36) 5766.38,4292.36 cw(c5766.38,4297.36) 5761.38,4297.36 ccw(c5754.57,4297.36) 5754.57,4304.17 ccw(c5754.57,4297.36) 5747.76,4297.36 cw(c5742.76,4297.36) 5742.76,4292.36 cw(c5742.76,4297.36) 5737.76,4297.36 cw(c5754.57,4297.36) 5754.57,4314.17 cw(c5754.57,4297.36)
  region: 5754.57,4280.55 cw(c5754.57,4297.36) 5737.76,4297.36 cw(c5742.76,4297.36) 5742.76,4302.36 cw(c5742.76,4297.36) 5747.76,4297.36 ccw(c5754.57,4297.36) 5754.57,4290.55 ccw(c5754.57,4297.36) 5761.38,4297.36 cw(c5766.38,4297.36) 5766.38,4302.36 cw(c5766.38,4297.36) 5771.38,4297.36 cw(c5754.57,4297.36)
  region: 5771.38,4297.36 cw(c5766.38,4297.36) 5766.38,4292.36 cw(c5766.38,4297.36) 5761.38,4297.36 ccw(c5754.57,4297.36) 5754.57,4304.17 ccw(c5754.57,4297.36) 5747.76,4297.36 cw(c5742.76,4297.36) 5742.76,4292.36 cw(c5742.76,4297.36) 5737.76,4297.36 cw(c5754.57,4297.36) 5754.57,4314.17 cw(c5754.57,4297.36)
  region: 6730.94,4398.66 cw(c6730.94,4415.47) 6714.13,4415.47 cw(c6719.13,4415.47) 6719.13,4420.47 cw(c6719.13,4415.47) 6724.13,4415.47 ccw(c6730.94,4415.47) 6730.94,4408.66 ccw(c6730.94,4415.47) 6737.76,4415.47 cw(c6742.76,4415.47) 6742.76,4420.47 cw(c6742.76,4415.47) 6747.76,4415.47 cw(c6730.94,4415.47)
  region: 6747.76,4415.47 cw(c6742.76,4415.47) 6742.76,4410.47 cw(c6742.76,4415.47) 6737.76,4415.47 ccw(c6730.94,4415.47) 6730.94,4422.28 ccw(c6730.94,4415.47) 6724.13,4415.47 cw(c6719.13,4415.47) 6719.13,4410.47 cw(c6719.13,4415.47) 6714.13,4415.47 cw(c6730.94,4415.47) 6730.94,4432.28 cw(c6730.94,4415.47)
  region: 6730.94,4398.66 cw(c6730.94,4415.47) 6714.13,4415.47 cw(c6719.13,4415.47) 6719.13,4420.47 cw(c6719.13,4415.47) 6724.13,4415.47 ccw(c6730.94,4415.47) 6730.94,4408.66 ccw(c6730.94,4415.47) 6737.76,4415.47 cw(c6742.76,4415.47) 6742.76,4420.47 cw(c6742.76,4415.47) 6747.76,4415.47 cw(c6730.94,4415.47)
  region: 6747.76,4415.47 cw(c6742.76,4415.47) 6742.76,4410.47 cw(c6742.76,4415.47) 6737.76,4415.47 ccw(c6730.94,4415.47) 6730.94,4422.28 ccw(c6730.94,4415.47) 6724.13,4415.47 cw(c6719.13,4415.47) 6719.13,4410.47 cw(c6719.13,4415.47) 6714.13,4415.47 cw(c6730.94,4415.47) 6730.94,4432.28 cw(c6730.94,4415.47)
  region: 6809.69,4398.66 cw(c6809.69,4415.47) 6792.87,4415.47 cw(c6797.87,4415.47) 6797.87,4420.47 cw(c6797.87,4415.47) 6802.87,4415.47 ccw(c6809.69,4415.47) 6809.69,4408.66 ccw(c6809.69,4415.47) 6816.5,4415.47 cw(c6821.5,4415.47) 6821.5,4420.47 cw(c6821.5,4415.47) 6826.5,4415.47 cw(c6809.69,4415.47)
  region: 6826.5,4415.47 cw(c6821.5,4415.47) 6821.5,4410.47 cw(c6821.5,4415.47) 6816.5,4415.47 ccw(c6809.69,4415.47) 6809.69,4422.28 ccw(c6809.69,4415.47) 6802.87,4415.47 cw(c6797.87,4415.47) 6797.87,4410.47 cw(c6797.87,4415.47) 6792.87,4415.47 cw(c6809.69,4415.47) 6809.69,4432.28 cw(c6809.69,4415.47)
  region: 6809.69,4398.66 cw(c6809.69,4415.47) 6792.87,4415.47 cw(c6797.87,4415.47) 6797.87,4420.47 cw(c6797.87,4415.47) 6802.87,4415.47 ccw(c6809.69,4415.47) 6809.69,4408.66 ccw(c6809.69,4415.47) 6816.5,4415.47 cw(c6821.5,4415.47) 6821.5,4420.47 cw(c6821.5,4415.47) 6826.5,4415.47 cw(c6809.69,4415.47)
  region: 6826.5,4415.47 cw(c6821.5,4415.47) 6821.5,4410.47 cw(c6821.5,4415.47) 6816.5,4415.47 ccw(c6809.69,4415.47) 6809.69,4422.28 ccw(c6809.69,4415.47) 6802.87,4415.47 cw(c6797.87,4415.47) 6797.87,4410.47 cw(c6797.87,4415.47) 6792.87,4415.47 cw(c6809.69,4415.47) 6809.69,4432.28 cw(c6809.69,4415.47)
  region: 6730.94,4280.55 cw(c6730.94,4297.36) 6714.13,4297.36 cw(c6719.13,4297.36) 6719.13,4302.36 cw(c6719.13,4297.36) 6724.13,4297.36 ccw(c6730.94,4297.36) 6730.94,4290.55 ccw(c6730.94,4297.36) 6737.76,4297.36 cw(c6742.76,4297.36) 6742.76,4302.36 cw(c6742.76,4297.36) 6747.76,4297.36 cw(c6730.94,4297.36)
  region: 6747.76,4297.36 cw(c6742.76,4297.36) 6742.76,4292.36 cw(c6742.76,4297.36) 6737.76,4297.36 ccw(c6730.94,4297.36) 6730.94,4304.17 ccw(c6730.94,4297.36) 6724.13,4297.36 cw(c6719.13,4297.36) 6719.13,4292.36 cw(c6719.13,4297.36) 6714.13,4297.36 cw(c6730.94,4297.36) 6730.94,4314.17 cw(c6730.94,4297.36)
  region: 6730.94,4280.55 cw(c6730.94,4297.36) 6714.13,4297.36 cw(c6719.13,4297.36) 6719.13,4302.36 cw(c6719.13,4297.36) 6724.13,4297.36 ccw(c6730.94,4297.36) 6730.94,4290.55 ccw(c6730.94,4297.36) 6737.76,4297.36 cw(c6742.76,4297.36) 6742.76,4302.36 cw(c6742.76,4297.36) 6747.76,4297.36 cw(c6730.94,4297.36)
  region: 6747.76,4297.36 cw(c6742.76,4297.36) 6742.76,4292.36 cw(c6742.76,4297.36) 6737.76,4297.36 ccw(c6730.94,4297.36) 6730.94,4304.17 ccw(c6730.94,4297.36) 6724.13,4297.36 cw(c6719.13,4297.36) 6719.13,4292.36 cw(c6719.13,4297.36) 6714.13,4297.36 cw(c6730.94,4297.36) 6730.94,4314.17 cw(c6730.94,4297.36)
  region: 6809.69,4280.55 cw(c6809.69,4297.36) 6792.87,4297.36 cw(c6797.87,4297.36) 6797.87,4302.36 cw(c6797.87,4297.36) 6802.87,4297.36 ccw(c6809.69,4297.36) 6809.69,4290.55 ccw(c6809.69,4297.36) 6816.5,4297.36 cw(c6821.5,4297.36) 6821.5,4302.36 cw(c6821.5,4297.36) 6826.5,4297.36 cw(c6809.69,4297.36)
  region: 6826.5,4297.36 cw(c6821.5,4297.36) 6821.5,4292.36 cw(c6821.5,4297.36) 6816.5,4297.36 ccw(c6809.69,4297.36) 6809.69,4304.17 ccw(c6809.69,4297.36) 6802.87,4297.36 cw(c6797.87,4297.36) 6797.87,4292.36 cw(c6797.87,4297.36) 6792.87,4297.36 cw(c6809.69,4297.36) 6809.69,4314.17 cw(c6809.69,4297.36)
  region: 6809.69,4280.55 cw(c6809.69,4297.36) 6792.87,4297.36 cw(c6797.87,4297.36) 6797.87,4302.36 cw(c6797.87,4297.36) 6802.87,4297.36 ccw(c6809.69,4297.36) 6809.69,4290.55 ccw(c6809.69,4297.36) 6816.5,4297.36 cw(c6821.5,4297.36) 6821.5,4302.36 cw(c6821.5,4297.36) 6826.5,4297.36 cw(c6809.69,4297.36)
  region: 6826.5,4297.36 cw(c6821.5,4297.36) 6821.5,4292.36 cw(c6821.5,4297.36) 6816.5,4297.36 ccw(c6809.69,4297.36) 6809.69,4304.17 ccw(c6809.69,4297.36) 6802.87,4297.36 cw(c6797.87,4297.36) 6797.87,4292.36 cw(c6797.87,4297.36) 6792.87,4297.36 cw(c6809.69,4297.36) 6809.69,4314.17 cw(c6809.69,4297.36)
  region: 5778.19,4297.36 5778.19,4415.47 6707.32,4415.47 6707.32,4297.36
  region: 5778.19,4297.36 5778.19,4415.47 6707.32,4415.47 6707.32,4297.36
  region: 5675.83,4398.66 cw(c5675.83,4415.47) 5659.02,4415.47 cw(c5664.02,4415.47) 5664.02,4420.47 cw(c5664.02,4415.47) 5669.02,4415.47 ccw(c5675.83,4415.47) 5675.83,4408.66 ccw(c5675.83,4415.47) 5682.64,4415.47 cw(c5687.64,4415.47) 5687.64,4420.47 cw(c5687.64,4415.47) 5692.64,4415.47 cw(c5675.83,4415.47)
  region: 5692.64,4415.47 cw(c5687.64,4415.47) 5687.64,4410.47 cw(c5687.64,4415.47) 5682.64,4415.47 ccw(c5675.83,4415.47) 5675.83,4422.28 ccw(c5675.83,4415.47) 5669.02,4415.47 cw(c5664.02,4415.47) 5664.02,4410.47 cw(c5664.02,4415.47) 5659.02,4415.47 cw(c5675.83,4415.47) 5675.83,4432.28 cw(c5675.83,4415.47)
  region: 5675.83,4398.66 cw(c5675.83,4415.47) 5659.02,4415.47 cw(c5664.02,4415.47) 5664.02,4420.47 cw(c5664.02,4415.47) 5669.02,4415.47 ccw(c5675.83,4415.47) 5675.83,4408.66 ccw(c5675.83,4415.47) 5682.64,4415.47 cw(c5687.64,4415.47) 5687.64,4420.47 cw(c5687.64,4415.47) 5692.64,4415.47 cw(c5675.83,4415.47)
  region: 5692.64,4415.47 cw(c5687.64,4415.47) 5687.64,4410.47 cw(c5687.64,4415.47) 5682.64,4415.47 ccw(c5675.83,4415.47) 5675.83,4422.28 ccw(c5675.83,4415.47) 5669.02,4415.47 cw(c5664.02,4415.47) 5664.02,4410.47 cw(c5664.02,4415.47) 5659.02,4415.47 cw(c5675.83,4415.47) 5675.83,4432.28 cw(c5675.83,4415.47)
  region: 6540.51,5045.91 cw(c6481.46,5045.91) 6422.4,5045.91 cw(c6481.46,5045.91)
  circle w0.5: c6481.46,5045.91 r59.06
  region: 7079.37,4561.14 cw(c7030.16,4561.14) 6980.94,4561.14 cw(c7030.16,4561.14)
  circle w0.5: c7030.16,4561.14 r49.21
  region: 5898.27,5096.57 cw(c5849.06,5096.57) 5799.84,5096.57 cw(c5849.06,5096.57)
  circle w0.5: c5849.06,5096.57 r49.21
  region: 5766.38,4415.47 cw(c5754.57,4415.47) 5742.76,4415.47 cw(c5754.57,4415.47)
  circle w0.5: c5754.57,4415.47 r11.81
  region: 5687.64,4297.36 cw(c5675.83,4297.36) 5664.02,4297.36 cw(c5675.83,4297.36)
  circle w0.5: c5675.83,4297.36 r11.81
  region: 5766.38,4297.36 cw(c5754.57,4297.36) 5742.76,4297.36 cw(c5754.57,4297.36)
  circle w0.5: c5754.57,4297.36 r11.81
  region: 6742.76,4415.47 cw(c6730.94,4415.47) 6719.13,4415.47 cw(c6730.94,4415.47)
  circle w0.5: c6730.94,4415.47 r11.81
  region: 6821.5,4415.47 cw(c6809.69,4415.47) 6797.87,4415.47 cw(c6809.69,4415.47)
  circle w0.5: c6809.69,4415.47 r11.81
  region: 6742.76,4297.36 cw(c6730.94,4297.36) 6719.13,4297.36 cw(c6730.94,4297.36)
  circle w0.5: c6730.94,4297.36 r11.81
  region: 6821.5,4297.36 cw(c6809.69,4297.36) 6797.87,4297.36 cw(c6809.69,4297.36)
  circle w0.5: c6809.69,4297.36 r11.81
  region: 5687.64,4415.47 cw(c5675.83,4415.47) 5664.02,4415.47 cw(c5675.83,4415.47)
  circle w0.5: c5675.83,4415.47 r11.81
  region: 5778.19,4297.36 5778.19,4415.47 6707.32,4415.47 6707.32,4297.36
  region: 3949.37,4504.45 3949.37,4644.45 4414.37,4644.45 4414.37,4504.45
  region: 6754.84,4775.04 6754.84,5242.24 6897.2,5242.24 6897.2,4775.04
  region: 5010.47,3824.92 5010.47,4084.76 5270.31,4084.76 5270.31,3824.92
  region: 7227.01,3195 3290,3195 3290,3293.43 3290,4297.36 3880.55,4297.36 3880.55,5242.24 5061.65,5242.24 5061.65,4297.36 5652.2,4297.36 5652.2,5242.24 7227.01,5242.24 7227.01,4415.47 6833.31,4415.47 6833.31,4297.36 7227.01,4297.36 7227.01,3293.43
  lines w0.1: 5778.19,4297.36 5778.19,4415.47 6707.32,4415.47 6707.32,4297.36 5778.19,4297.36
  lines w10: 3290,3195 7227.01,3195 7227.01,3293.43 7227.01,4297.36 6833.31,4297.36 6833.31,4415.47 7227.01,4415.47 7227.01,5242.24 5652.2,5242.24 5652.2,4297.36 5061.65,4297.36 5061.65,5242.24 3880.55,5242.24 3880.55,4297.36 3290,4297.36 3290,3293.43 3290,3195

## Other copper
Top Layer:
  drawing of 138 lines, arcs and shapes, not listed